# Altium PCB PCB_3U_DAC.PCBDOC (part 2 of 9)
Units mm, origin at the board's own origin, x right, y up, seen from the top; angles counter-clockwise.
Board outline 186.91 x 200.1 mm, 4 copper layers (TopLayer, Internal Plane 2, Signal Layer 1, BottomLayer), stack 1.563 mm thick; 822 components, 563 nets, 2611 pads, 820 vias.
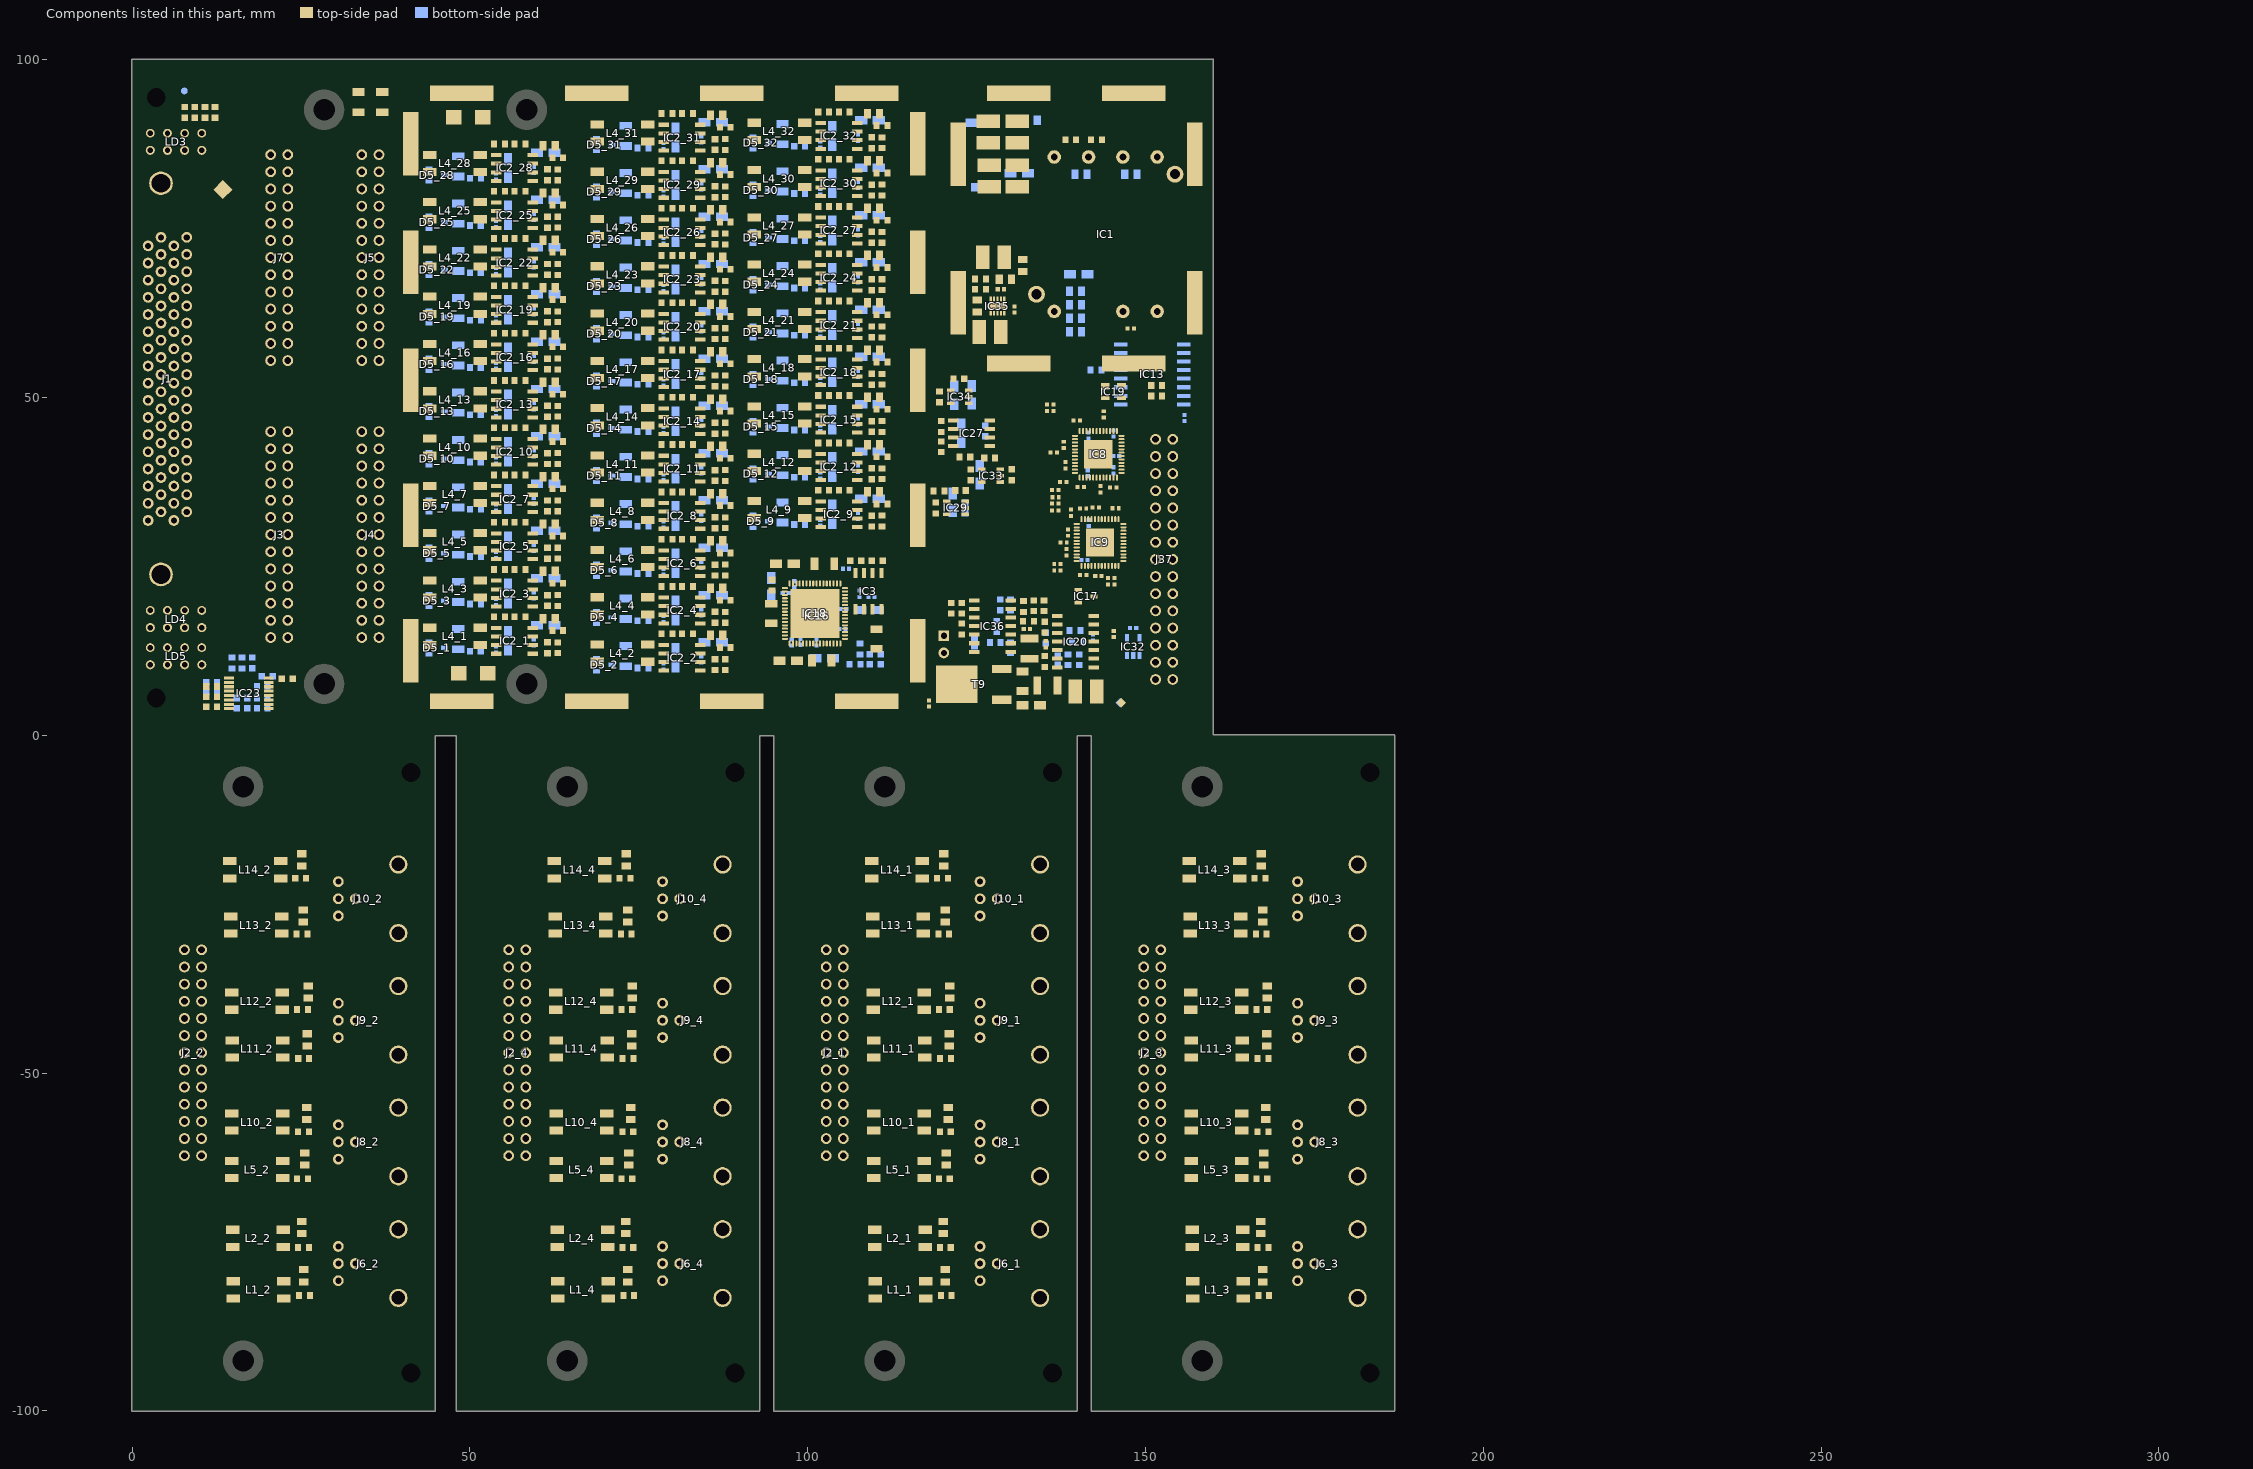
[diagram p4: the components of this part, seen from the top]

## Components (designator, comment, footprint, x,y, rotation, side; value= is the part's Value field where it differs from the comment) (continued)
CLIP51 "S1411-46R" CLIP_HOLLAND-SHIELDING_LC 122.263,64.031 r270 top
CLIP52 "S1411-46R" CLIP_HOLLAND-SHIELDING_LC 131.263,55.031 r0 top
D5_1 "BAV199" SOT95P240X110-3N 45.063,12.931 r0 bottom (schematic designator D5)
D5_2 "BAV199" SOT95P240X110-3N 69.863,10.431 r0 bottom (schematic designator D5)
D5_3 "BAV199" SOT95P240X110-3N 45.063,19.931 r0 bottom (schematic designator D5)
D5_4 "BAV199" SOT95P240X110-3N 69.863,17.431 r0 bottom (schematic designator D5)
D5_5 "BAV199" SOT95P240X110-3N 45.063,26.931 r0 bottom (schematic designator D5)
D5_6 "BAV199" SOT95P240X110-3N 69.863,24.431 r0 bottom (schematic designator D5)
D5_7 "BAV199" SOT95P240X110-3N 45.063,33.931 r0 bottom (schematic designator D5)
D5_8 "BAV199" SOT95P240X110-3N 69.863,31.431 r0 bottom (schematic designator D5)
D5_9 "BAV199" SOT95P240X110-3N 93.063,31.681 r0 bottom (schematic designator D5)
D5_10 "BAV199" SOT95P240X110-3N 45.063,40.931 r0 bottom (schematic designator D5)
D5_11 "BAV199" SOT95P240X110-3N 69.863,38.431 r0 bottom (schematic designator D5)
D5_12 "BAV199" SOT95P240X110-3N 93.063,38.681 r0 bottom (schematic designator D5)
D5_13 "BAV199" SOT95P240X110-3N 45.063,47.931 r0 bottom (schematic designator D5)
D5_14 "BAV199" SOT95P240X110-3N 69.863,45.431 r0 bottom (schematic designator D5)
D5_15 "BAV199" SOT95P240X110-3N 93.063,45.681 r0 bottom (schematic designator D5)
D5_16 "BAV199" SOT95P240X110-3N 45.063,54.931 r0 bottom (schematic designator D5)
D5_17 "BAV199" SOT95P240X110-3N 69.863,52.431 r0 bottom (schematic designator D5)
D5_18 "BAV199" SOT95P240X110-3N 93.063,52.681 r0 bottom (schematic designator D5)
D5_19 "BAV199" SOT95P240X110-3N 45.063,61.931 r0 bottom (schematic designator D5)
D5_20 "BAV199" SOT95P240X110-3N 69.863,59.431 r0 bottom (schematic designator D5)
D5_21 "BAV199" SOT95P240X110-3N 93.063,59.681 r0 bottom (schematic designator D5)
D5_22 "BAV199" SOT95P240X110-3N 45.063,68.931 r0 bottom (schematic designator D5)
D5_23 "BAV199" SOT95P240X110-3N 69.863,66.431 r0 bottom (schematic designator D5)
D5_24 "BAV199" SOT95P240X110-3N 93.063,66.681 r0 bottom (schematic designator D5)
D5_25 "BAV199" SOT95P240X110-3N 45.063,75.931 r0 bottom (schematic designator D5)
D5_26 "BAV199" SOT95P240X110-3N 69.863,73.431 r0 bottom (schematic designator D5)
D5_27 "BAV199" SOT95P240X110-3N 93.063,73.681 r0 bottom (schematic designator D5)
D5_28 "BAV199" SOT95P240X110-3N 45.063,82.931 r0 bottom (schematic designator D5)
D5_29 "BAV199" SOT95P240X110-3N 69.863,80.431 r0 bottom (schematic designator D5)
D5_30 "BAV199" SOT95P240X110-3N 93.063,80.681 r0 bottom (schematic designator D5)
D5_31 "BAV199" SOT95P240X110-3N 69.863,87.431 r0 bottom (schematic designator D5)
D5_32 "BAV199" SOT95P240X110-3N 93.063,87.681 r0 bottom (schematic designator D5)
D10 "SMBJ12A" DIOM5336X265N 49.763,91.456 r180 top
D11 "SMBJ12A" DIOM5336X265N 50.513,9.206 r0 top
F1 "160mA-48V" FUSRC3216X100N 37.013,93.706 r90 top
F2 "160mA-48V" FUSRC3216X100N 33.513,93.706 r90 top
FTG1 "Use only in PCB" FIDUCIAL_TOP_C100-200 7.718,95.374 r90 bottom
FTG2 "Use only in PCB" FIDUCIAL_TOP_S100-200 146.402,4.823 r90 top
FTG3 "Use only in PCB" FIDUCIAL_TOP_S200-400 13.433,80.769 r0 top
FTG4 "Use only in PCB" FIDUCIAL_TOP_S100-200 146.275,4.823 r180 bottom
IC1 "CC6-1212DF-E" CC6-1212DF-E 133.858,65.278 r90 top
IC2_1 "OPA197ID" SOIC127P600X175-8N 56.607,13.97 r180 top (schematic designator IC2)
IC2_2 "OPA197ID" SOIC127P600X175-8N 81.407,11.47 r180 top (schematic designator IC2)
IC2_3 "OPA197ID" SOIC127P600X175-8N 56.607,20.97 r180 top (schematic designator IC2)
IC2_4 "OPA197ID" SOIC127P600X175-8N 81.407,18.47 r180 top (schematic designator IC2)
IC2_5 "OPA197ID" SOIC127P600X175-8N 56.607,27.97 r180 top (schematic designator IC2)
IC2_6 "OPA197ID" SOIC127P600X175-8N 81.407,25.47 r180 top (schematic designator IC2)
IC2_7 "OPA197ID" SOIC127P600X175-8N 56.607,34.97 r180 top (schematic designator IC2)
IC2_8 "OPA197ID" SOIC127P600X175-8N 81.407,32.47 r180 top (schematic designator IC2)
IC2_9 "OPA197ID" SOIC127P600X175-8N 104.607,32.72 r180 top (schematic designator IC2)
IC2_10 "OPA197ID" SOIC127P600X175-8N 56.607,41.97 r180 top (schematic designator IC2)
IC2_11 "OPA197ID" SOIC127P600X175-8N 81.407,39.47 r180 top (schematic designator IC2)
IC2_12 "OPA197ID" SOIC127P600X175-8N 104.607,39.72 r180 top (schematic designator IC2)
IC2_13 "OPA197ID" SOIC127P600X175-8N 56.607,48.97 r180 top (schematic designator IC2)
IC2_14 "OPA197ID" SOIC127P600X175-8N 81.407,46.47 r180 top (schematic designator IC2)
IC2_15 "OPA197ID" SOIC127P600X175-8N 104.607,46.72 r180 top (schematic designator IC2)
IC2_16 "OPA197ID" SOIC127P600X175-8N 56.607,55.97 r180 top (schematic designator IC2)
IC2_17 "OPA197ID" SOIC127P600X175-8N 81.407,53.47 r180 top (schematic designator IC2)
IC2_18 "OPA197ID" SOIC127P600X175-8N 104.607,53.72 r180 top (schematic designator IC2)
IC2_19 "OPA197ID" SOIC127P600X175-8N 56.607,62.97 r180 top (schematic designator IC2)
IC2_20 "OPA197ID" SOIC127P600X175-8N 81.407,60.47 r180 top (schematic designator IC2)
IC2_21 "OPA197ID" SOIC127P600X175-8N 104.607,60.72 r180 top (schematic designator IC2)
IC2_22 "OPA197ID" SOIC127P600X175-8N 56.607,69.97 r180 top (schematic designator IC2)
IC2_23 "OPA197ID" SOIC127P600X175-8N 81.407,67.47 r180 top (schematic designator IC2)
IC2_24 "OPA197ID" SOIC127P600X175-8N 104.607,67.72 r180 top (schematic designator IC2)
IC2_25 "OPA197ID" SOIC127P600X175-8N 56.607,76.97 r180 top (schematic designator IC2)
IC2_26 "OPA197ID" SOIC127P600X175-8N 81.407,74.47 r180 top (schematic designator IC2)
IC2_27 "OPA197ID" SOIC127P600X175-8N 104.607,74.72 r180 top (schematic designator IC2)
IC2_28 "OPA197ID" SOIC127P600X175-8N 56.607,83.97 r180 top (schematic designator IC2)
IC2_29 "OPA197ID" SOIC127P600X175-8N 81.407,81.47 r180 top (schematic designator IC2)
IC2_30 "OPA197ID" SOIC127P600X175-8N 104.607,81.72 r180 top (schematic designator IC2)
IC2_31 "OPA197ID" SOIC127P600X175-8N 81.407,88.47 r180 top (schematic designator IC2)
IC2_32 "OPA197ID" SOIC127P600X175-8N 104.607,88.72 r180 top (schematic designator IC2)
IC3 "MAX6250ACSA+" SOIC127P600X175-8N 108.979,21.32 r270 top
IC8 "SN65MLVD040RGZT" QFN50P700X700X100-49N-S420 143.006,41.58 r0 top
IC9 "SN65MLVD040RGZT" QFN50P700X700X100-49N-S420 143.27,28.534 r0 top
IC13 "PCF8574ADW" SOIC127P1030X265-16N 150.978,53.416 r0 bottom
IC16 "LM45CIM3" SOT95P251X112-3N 101.063,18.031 r135 bottom
IC17 "TS3431ILT" SOT95P237X112-3N 141.195,20.571 r0 top
IC18 "AD5372BCPZ" QFN50P900X900X100-65N-S725 101.063,18.031 r270 top
IC19 "STM811SW16F" SOT143N 145.25,50.861 r0 top
IC20 "TLC279CD" SOIC127P600X175-14N 139.635,13.872 r180 top
IC23 "SN74LV595APWT" SOP65P640X120-16N 17.263,6.206 r0 top
IC27 "LT1763CS8#PBF" SOIC127P600X175-8N 124.263,44.706 r0 top
IC29 "LT1761ES5-BYP#TRMPBF" SOT95P280X100-5N 121.933,33.647 r180 top
IC32 "24AA02E48T-I/OT" SOT95P280X145-5N 148.184,13.106 r90 bottom
IC33 "LT1964ES5-SD#TRMPBF" SOT95P280X100-5N 127.135,38.435 r180 top
IC34 "LT1964ES5-SD#TRMPBF" SOT95P280X100-5N 122.486,50.094 r180 top
IC35 "TPS62175DQC" SON50P200X300X80-11N-R94X250 128.088,63.531 r270 top
IC36 "TLC279CD" SOIC127P600X175-14N 127.38,16.158 r180 top
J1 "D-SUB" TYCO_5787082-7 5.213,52.756 r270 top
J2_1 "Header 26" 3M_N2526-5002RB 104,-47 r90 top (schematic designator J2)
J2_2 "Header 26" 3M_N2526-5002RB 9,-47 r90 top (schematic designator J2)
J2_3 "Header 26" 3M_N2526-5002RB 151,-47 r90 top (schematic designator J2)
J2_4 "Header 26" 3M_N2526-5002RB 57,-47 r90 top (schematic designator J2)
J3 "Header 26" 3M_N2526-6002RB 21.763,29.706 r90 top
J4 "Header 26" 3M_N2526-6002RB 35.263,29.706 r90 top locked
J5 "Header 26" 3M_N2526-6002RB 35.263,70.706 r90 top locked
J6_1 "BNC" BOMAR_364A2595 131.707,-78.206 r0 top (schematic designator J6)
J6_2 "BNC" BOMAR_364A2595 36.707,-78.206 r0 top (schematic designator J6)
J6_3 "BNC" BOMAR_364A2595 178.707,-78.206 r0 top (schematic designator J6)
J6_4 "BNC" BOMAR_364A2595 84.707,-78.206 r0 top (schematic designator J6)
J7 "Header 26" 3M_N2526-6002RB 21.763,70.706 r90 top
J8_1 "BNC" BOMAR_364A2595 131.707,-60.206 r0 top (schematic designator J8)
J8_2 "BNC" BOMAR_364A2595 36.707,-60.206 r0 top (schematic designator J8)
J8_3 "BNC" BOMAR_364A2595 178.707,-60.206 r0 top (schematic designator J8)
J8_4 "BNC" BOMAR_364A2595 84.707,-60.206 r0 top (schematic designator J8)
J9_1 "BNC" BOMAR_364A2595 131.707,-42.206 r0 top (schematic designator J9)
J9_2 "BNC" BOMAR_364A2595 36.707,-42.206 r0 top (schematic designator J9)
J9_3 "BNC" BOMAR_364A2595 178.707,-42.206 r0 top (schematic designator J9)
J9_4 "BNC" BOMAR_364A2595 84.707,-42.206 r0 top (schematic designator J9)
J10_1 "BNC" BOMAR_364A2595 131.707,-24.206 r0 top (schematic designator J10)
J10_2 "BNC" BOMAR_364A2595 36.707,-24.206 r0 top (schematic designator J10)
J10_3 "BNC" BOMAR_364A2595 178.707,-24.206 r0 top (schematic designator J10)
J10_4 "BNC" BOMAR_364A2595 84.707,-24.206 r0 top (schematic designator J10)
J37 "Familly" 3M_N2530-6002RB 152.763,26.031 r270 top
L1_1 "2x6.5mH" IND_WURTH_WE-SL2 113.718,-82.093 r180 top (schematic designator L1)
L1_2 "2x6.5mH" IND_WURTH_WE-SL2 18.718,-82.093 r180 top (schematic designator L1)
L1_3 "2x6.5mH" IND_WURTH_WE-SL2 160.718,-82.093 r180 top (schematic designator L1)
L1_4 "2x6.5mH" IND_WURTH_WE-SL2 66.718,-82.093 r180 top (schematic designator L1)
L2_1 "2x6.5mH" IND_WURTH_WE-SL2 113.642,-74.473 r180 top (schematic designator L2)
L2_2 "2x6.5mH" IND_WURTH_WE-SL2 18.642,-74.473 r180 top (schematic designator L2)
L2_3 "2x6.5mH" IND_WURTH_WE-SL2 160.642,-74.473 r180 top (schematic designator L2)
L2_4 "2x6.5mH" IND_WURTH_WE-SL2 66.642,-74.473 r180 top (schematic designator L2)
L3 "10uH" IND_MURATA-PS_8400 141.195,6.474 r0 top
L4_1 "2x6.5mH" IND_WURTH_WE-SL2 47.796,14.651 r180 top (schematic designator L4)
L4_2 "2x6.5mH" IND_WURTH_WE-SL2 72.596,12.151 r180 top (schematic designator L4)
L4_3 "2x6.5mH" IND_WURTH_WE-SL2 47.796,21.651 r180 top (schematic designator L4)
L4_4 "2x6.5mH" IND_WURTH_WE-SL2 72.596,19.151 r180 top (schematic designator L4)
L4_5 "2x6.5mH" IND_WURTH_WE-SL2 47.796,28.651 r180 top (schematic designator L4)
L4_6 "2x6.5mH" IND_WURTH_WE-SL2 72.596,26.151 r180 top (schematic designator L4)
L4_7 "2x6.5mH" IND_WURTH_WE-SL2 47.796,35.651 r180 top (schematic designator L4)
L4_8 "2x6.5mH" IND_WURTH_WE-SL2 72.596,33.151 r180 top (schematic designator L4)
L4_9 "2x6.5mH" IND_WURTH_WE-SL2 95.796,33.401 r180 top (schematic designator L4)
L4_10 "2x6.5mH" IND_WURTH_WE-SL2 47.796,42.651 r180 top (schematic designator L4)
L4_11 "2x6.5mH" IND_WURTH_WE-SL2 72.596,40.151 r180 top (schematic designator L4)
L4_12 "2x6.5mH" IND_WURTH_WE-SL2 95.796,40.401 r180 top (schematic designator L4)
L4_13 "2x6.5mH" IND_WURTH_WE-SL2 47.796,49.651 r180 top (schematic designator L4)
L4_14 "2x6.5mH" IND_WURTH_WE-SL2 72.596,47.151 r180 top (schematic designator L4)
L4_15 "2x6.5mH" IND_WURTH_WE-SL2 95.796,47.401 r180 top (schematic designator L4)
L4_16 "2x6.5mH" IND_WURTH_WE-SL2 47.796,56.651 r180 top (schematic designator L4)
L4_17 "2x6.5mH" IND_WURTH_WE-SL2 72.596,54.151 r180 top (schematic designator L4)
L4_18 "2x6.5mH" IND_WURTH_WE-SL2 95.796,54.401 r180 top (schematic designator L4)
L4_19 "2x6.5mH" IND_WURTH_WE-SL2 47.796,63.651 r180 top (schematic designator L4)
L4_20 "2x6.5mH" IND_WURTH_WE-SL2 72.596,61.151 r180 top (schematic designator L4)
L4_21 "2x6.5mH" IND_WURTH_WE-SL2 95.796,61.401 r180 top (schematic designator L4)
L4_22 "2x6.5mH" IND_WURTH_WE-SL2 47.796,70.651 r180 top (schematic designator L4)
L4_23 "2x6.5mH" IND_WURTH_WE-SL2 72.596,68.151 r180 top (schematic designator L4)
L4_24 "2x6.5mH" IND_WURTH_WE-SL2 95.796,68.401 r180 top (schematic designator L4)
L4_25 "2x6.5mH" IND_WURTH_WE-SL2 47.796,77.651 r180 top (schematic designator L4)
L4_26 "2x6.5mH" IND_WURTH_WE-SL2 72.596,75.151 r180 top (schematic designator L4)
L4_27 "2x6.5mH" IND_WURTH_WE-SL2 95.796,75.401 r180 top (schematic designator L4)
L4_28 "2x6.5mH" IND_WURTH_WE-SL2 47.796,84.651 r180 top (schematic designator L4)
L4_29 "2x6.5mH" IND_WURTH_WE-SL2 72.596,82.151 r180 top (schematic designator L4)
L4_30 "2x6.5mH" IND_WURTH_WE-SL2 95.796,82.401 r180 top (schematic designator L4)
L4_31 "2x6.5mH" IND_WURTH_WE-SL2 72.596,89.151 r180 top (schematic designator L4)
L4_32 "2x6.5mH" IND_WURTH_WE-SL2 95.796,89.401 r180 top (schematic designator L4)
L5_1 "2x6.5mH" IND_WURTH_WE-SL2 113.515,-64.287 r180 top (schematic designator L5)
L5_2 "2x6.5mH" IND_WURTH_WE-SL2 18.515,-64.287 r180 top (schematic designator L5)
L5_3 "2x6.5mH" IND_WURTH_WE-SL2 160.515,-64.287 r180 top (schematic designator L5)
L5_4 "2x6.5mH" IND_WURTH_WE-SL2 66.515,-64.288 r180 top (schematic designator L5)
L6 "10uH" IND_MURATA-PS_8400 131.035,82.801 r270 top
L7 "10uH" IND_MURATA-PS_8400 126.844,82.801 r270 top
L8 "10uH" IND_MURATA-PS_8400 127.5,70.75 r0 top
L9 "10uH" IND_MURATA-PS_8400 131.035,89.278 r90 top
L10_1 "2x6.5mH" IND_WURTH_WE-SL2 113.515,-57.252 r180 top (schematic designator L10)
L10_2 "2x6.5mH" IND_WURTH_WE-SL2 18.515,-57.252 r180 top (schematic designator L10)
L10_3 "2x6.5mH" IND_WURTH_WE-SL2 160.515,-57.252 r180 top (schematic designator L10)
L10_4 "2x6.5mH" IND_WURTH_WE-SL2 66.515,-57.252 r180 top (schematic designator L10)
L11_1 "2x6.5mH" IND_WURTH_WE-SL2 113.546,-46.435 r180 top (schematic designator L11)
L11_2 "2x6.5mH" IND_WURTH_WE-SL2 18.546,-46.435 r180 top (schematic designator L11)
L11_3 "2x6.5mH" IND_WURTH_WE-SL2 160.546,-46.435 r180 top (schematic designator L11)
L11_4 "2x6.5mH" IND_WURTH_WE-SL2 66.546,-46.435 r180 top (schematic designator L11)
L12_1 "2x6.5mH" IND_WURTH_WE-SL2 113.464,-39.365 r180 top (schematic designator L12)
L12_2 "2x6.5mH" IND_WURTH_WE-SL2 18.464,-39.365 r180 top (schematic designator L12)
L12_3 "2x6.5mH" IND_WURTH_WE-SL2 160.464,-39.365 r180 top (schematic designator L12)
L12_4 "2x6.5mH" IND_WURTH_WE-SL2 66.464,-39.365 r180 top (schematic designator L12)
L13_1 "2x6.5mH" IND_WURTH_WE-SL2 113.352,-28.091 r180 top (schematic designator L13)
L13_2 "2x6.5mH" IND_WURTH_WE-SL2 18.352,-28.091 r180 top (schematic designator L13)
L13_3 "2x6.5mH" IND_WURTH_WE-SL2 160.352,-28.091 r180 top (schematic designator L13)
L13_4 "2x6.5mH" IND_WURTH_WE-SL2 66.352,-28.091 r180 top (schematic designator L13)
L14_1 "2x6.5mH" IND_WURTH_WE-SL2 113.225,-19.912 r180 top (schematic designator L14)
L14_2 "2x6.5mH" IND_WURTH_WE-SL2 18.225,-19.912 r180 top (schematic designator L14)
L14_3 "2x6.5mH" IND_WURTH_WE-SL2 160.225,-19.912 r180 top (schematic designator L14)
L14_4 "2x6.5mH" IND_WURTH_WE-SL2 66.225,-19.912 r180 top (schematic designator L14)
L15 "10uH" IND_MURATA-PS_8400 126.717,89.278 r270 top
L16 "10uH" IND_MURATA-PS_8400 126.971,59.687 r180 top
LD3 "Green/Green/HeRed/HeRed" LED_BIVAR_H485CHHGGDL 6.488,87.856 r0 top
LD4 "Green" LED_BIVAR_H485CGDL 6.488,17.206 r0 top
LD5 "Green" LED_BIVAR_H485CGDL 6.488,11.706 r0 top
R1 "Undefined" RESC1608X55N 138.938,88.138 r180 top
R2 "0" RESC1005X40N 147.828,60.198 r180 top
R3 "0" RESC1005X40N 105.664,24.638 r0 bottom
R4 "36" RESC1608X55N 142.748,88.138 r180 top
R5 "47" RESC1608X55N 135.226,14.369 r270 bottom
R6 "100" RESC1005X40N 145.241,36.675 r0 top
R7 "0" RESC1005X40N 107.667,20.952 r270 bottom
R8 "10k" RESC1608X55N 151.651,50.226 r0 top
R9 "47" RESC1608X55N 127.762,13.716 r0 bottom
R10 "0" RESC1005X40N 145.288,14.986 r90 top
R11 "0" RESC1005X40N 135.894,48.003 r0 top
R12 "10k" RESC1608X55N 151.651,51.775 r0 top
R13 "0" RESC1005X40N 135.894,48.968 r0 top
R14 "0" RESC1005X40N 136.681,35.227 r0 top
R15_1 "0" RESC1608X55N 120.5,-82.931 r180 top (schematic designator R15)
R15_2 "0" RESC1608X55N 25.5,-82.931 r180 top (schematic designator R15)
R15_3 "0" RESC1608X55N 167.5,-82.931 r180 top (schematic designator R15)
R15_4 "0" RESC1608X55N 73.5,-82.931 r180 top (schematic designator R15)
R16 "100" RESC1005X40N 143.827,47.493 r270 top
R17 "100" RESC1005X40N 136.41,41.854 r0 top
R18 "100" RESC1005X40N 143.336,36.421 r90 top
R19 "100" RESC1005X40N 137.807,37.485 r0 top
R20 "100" RESC1005X40N 138.967,32.941 r270 top
R21 "100" RESC1005X40N 142.625,33.703 r0 top
R22 "100" RESC1005X40N 137.875,28.521 r0 top
R23 "100" RESC1005X40N 144.462,22.779 r90 top
R24_1 "2k32" RESC1608X55N 62.992,15.494 r180 top (schematic designator R24)
R24_2 "2k32" RESC1608X55N 87.792,12.994 r180 top (schematic designator R24)
R24_3 "2k32" RESC1608X55N 62.992,22.494 r180 top (schematic designator R24)
R24_4 "2k32" RESC1608X55N 87.792,19.994 r180 top (schematic designator R24)
R24_5 "2k32" RESC1608X55N 62.992,29.494 r180 top (schematic designator R24)
R24_6 "2k32" RESC1608X55N 87.792,26.994 r180 top (schematic designator R24)
R24_7 "2k32" RESC1608X55N 62.992,36.494 r180 top (schematic designator R24)
R24_8 "2k32" RESC1608X55N 87.792,33.994 r180 top (schematic designator R24)
R24_9 "2k32" RESC1608X55N 110.992,34.244 r180 top (schematic designator R24)
R24_10 "2k32" RESC1608X55N 62.992,43.494 r180 top (schematic designator R24)
R24_11 "2k32" RESC1608X55N 87.792,40.994 r180 top (schematic designator R24)
R24_12 "2k32" RESC1608X55N 110.992,41.244 r180 top (schematic designator R24)
R24_13 "2k32" RESC1608X55N 62.992,50.494 r180 top (schematic designator R24)
R24_14 "2k32" RESC1608X55N 87.792,47.994 r180 top (schematic designator R24)
R24_15 "2k32" RESC1608X55N 110.992,48.244 r180 top (schematic designator R24)
R24_16 "2k32" RESC1608X55N 62.992,57.494 r180 top (schematic designator R24)
R24_17 "2k32" RESC1608X55N 87.792,54.994 r180 top (schematic designator R24)
R24_18 "2k32" RESC1608X55N 110.992,55.244 r180 top (schematic designator R24)
R24_19 "2k32" RESC1608X55N 62.992,64.494 r180 top (schematic designator R24)
R24_20 "2k32" RESC1608X55N 87.792,61.994 r180 top (schematic designator R24)
R24_21 "2k32" RESC1608X55N 110.992,62.244 r180 top (schematic designator R24)
R24_22 "2k32" RESC1608X55N 62.992,71.494 r180 top (schematic designator R24)
R24_23 "2k32" RESC1608X55N 87.792,68.994 r180 top (schematic designator R24)
R24_24 "2k32" RESC1608X55N 110.992,69.244 r180 top (schematic designator R24)
R24_25 "2k32" RESC1608X55N 62.992,78.494 r180 top (schematic designator R24)
R24_26 "2k32" RESC1608X55N 87.792,75.994 r180 top (schematic designator R24)
R24_27 "2k32" RESC1608X55N 110.992,76.244 r180 top (schematic designator R24)
R24_28 "2k32" RESC1608X55N 62.992,85.494 r180 top (schematic designator R24)
R24_29 "2k32" RESC1608X55N 87.792,82.994 r180 top (schematic designator R24)
R24_30 "2k32" RESC1608X55N 110.992,83.244 r180 top (schematic designator R24)
R24_31 "2k32" RESC1608X55N 87.792,89.994 r180 top (schematic designator R24)
R24_32 "2k32" RESC1608X55N 110.992,90.244 r180 top (schematic designator R24)
R25_1 "9k09" RESC1608X55N 62.992,12.954 r270 top (schematic designator R25)
R25_2 "9k09" RESC1608X55N 87.792,10.454 r270 top (schematic designator R25)
R25_3 "9k09" RESC1608X55N 62.992,19.954 r270 top (schematic designator R25)
R25_4 "9k09" RESC1608X55N 87.792,17.454 r270 top (schematic designator R25)
R25_5 "9k09" RESC1608X55N 62.992,26.954 r270 top (schematic designator R25)
R25_6 "9k09" RESC1608X55N 87.792,24.454 r270 top (schematic designator R25)
R25_7 "9k09" RESC1608X55N 62.992,33.954 r270 top (schematic designator R25)
R25_8 "9k09" RESC1608X55N 87.792,31.454 r270 top (schematic designator R25)
R25_9 "9k09" RESC1608X55N 110.992,31.704 r270 top (schematic designator R25)
R25_10 "9k09" RESC1608X55N 62.992,40.954 r270 top (schematic designator R25)
R25_11 "9k09" RESC1608X55N 87.792,38.454 r270 top (schematic designator R25)